# Altium PCB PCB_ESP_R8_POE_3C v2_2023-10-08.pcbdoc (part 2 of 3)
Units mm, origin at the board's own origin, x right, y up, seen from the top; angles counter-clockwise.
Board outline 188.8 x 138.86 mm, 2 copper layers (Top Layer, Bottom Layer); 275 components, 213 nets, 829 pads, 1172 vias.
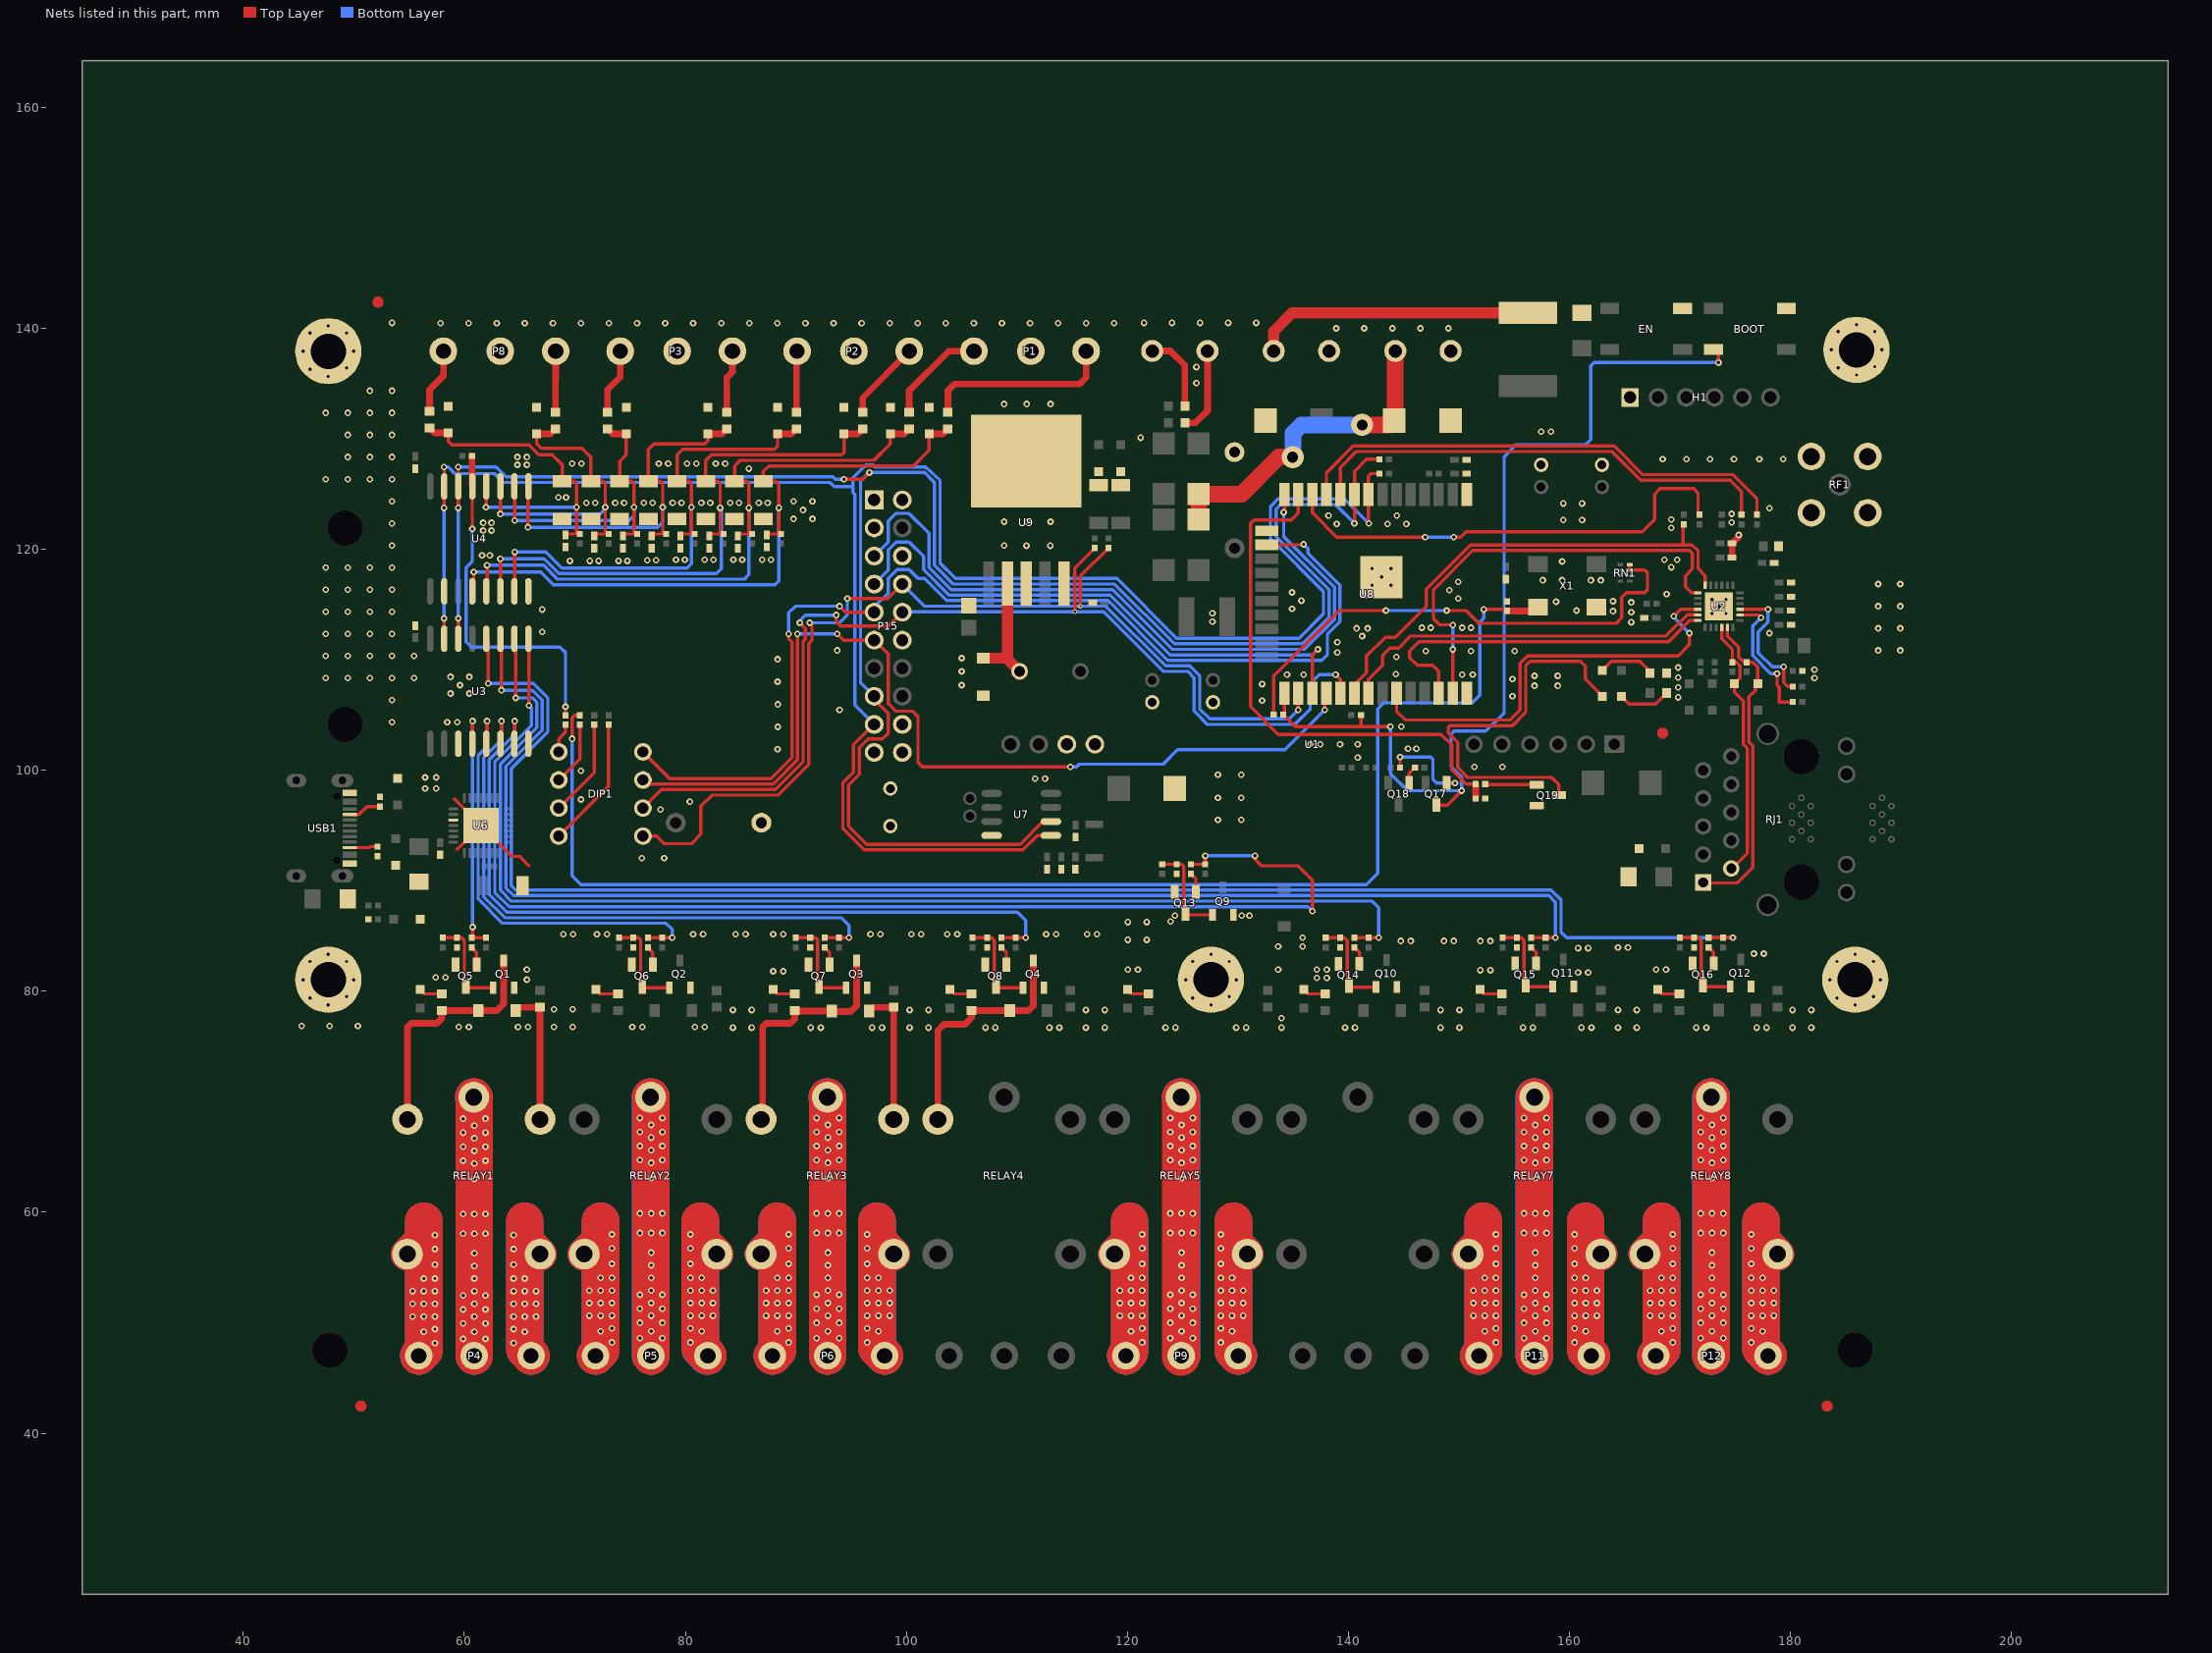
[diagram p2: the nets of this part, all layers, seen from the top]

## Via types
v1: diameter 0.6, hole 0.3, Top Layer to Bottom Layer, tented both sides, 1151 vias
v2: diameter 1.2, hole 0.6, Top Layer to Bottom Layer, tented both sides, 9 vias
v3: diameter 1, hole 0.5, Top Layer to Bottom Layer, tented both sides, 6 vias
v4: diameter 2, hole 1, Top Layer to Bottom Layer, tented both sides, 4 vias
v5: diameter 0.4, hole 0.2, Top Layer to Bottom Layer, tented both sides, 2 vias

## Nets (pads, with @x,y where several pads share a name; then routed paths per layer and width w, separated by ;. In a path a pad name is that pad's centre, name@x,y a point inside that pad or via, vN(x,y) a via of type N, cw(c..) or ccw(c..) an arc to the next point about the centre after c; other vN are vias at no path point) (continued)
ESP_SCL: P15.15 R75.2 U3.14 U4.14 U7.6 U8.9 | length 189.4
  Top Layer w0.3: U3.14@59.445,112.061 59.45,112.066 v1(59.45,113.761) ; U4.14@59.445,125.661 U4.14@59.445,125.711 ; v1(59.45,123.761) 59.45,125.706 U4.14@59.445,125.711 ; v1(59.45,127.461) 59.445,127.456 U4.14@59.445,125.711 ; v1(94.35,126.361) 96.05,126.361 v1(96.65,126.961) ; P15.15@97.091,106.703 97.091,106.421 98.351,105.161 98.351,103.36 97.85,102.86 96.55,102.86 95.75,102.06 95.75,99.662 94.749,98.661 94.749,94.961 96.398,93.312 110.296,93.312 112.361,95.377 U7.6@113.083,95.377 ; v1(140.55,122.361) 140.552,122.363 U8.9@140.552,124.973 140.552,127.063 141.65,128.161 R75.2@142.818,128.161
  Bottom Layer w0.3: v1(59.45,113.761) v1(59.45,123.761) ; v1@59.451,127.46 62.849,127.46 63.748,126.561 93.35,126.561 93.55,126.36 v1(94.35,126.361) ; P15.15@97.091,106.703 95.849,107.945 95.849,126.06 95.849,126.162 96.649,126.959 101.65,126.959 102.549,126.06 102.549,118.56 104.249,116.86 118.849,116.86 124.249,111.46 135.849,111.46 138.249,113.861 138.249,116.36 133.451,121.161 133.451,123.66 133.85,124.061 138.851,124.061 v1(140.55,122.361)
ESP_SDA: P15.17 R76.2 U3.15 U4.15 U7.5 U8.8 | length 189.1
  Top Layer w0.3: v1(58.15,113.761) 58.15,112.086 U3.15@58.175,112.061 ; v1(58.15,123.761) 58.15,125.686 58.175,125.711 58.175,127.435 v1(58.15,127.461) ; P15.17@97.091,104.163 95.224,102.296 95.224,99.835 94.249,98.862 94.249,94.76 96.199,92.812 110.55,92.812 111.846,94.107 U7.5@113.083,94.107 ; v1(141.85,122.361) 141.822,122.388 141.822,123.288 U8.8@141.822,124.973 141.822,126.633 142.05,126.861 R76.2@142.818,126.86
  Bottom Layer w0.3: v1(58.15,113.761) v1(58.15,123.761) ; v1(58.15,127.461) 58.552,127.46 59.151,126.86 62.75,126.86 63.55,126.06 93.07,126.06 93.456,125.674 95.15,125.674 ; P15.17@97.091,104.163 95.351,105.903 95.351,124.961 95.15,125.161 95.15,125.646 95.15,126.467 95.849,127.16 96.354,127.661 96.951,127.661 97.149,127.46 101.749,127.46 103.05,126.261 103.05,118.76 104.449,117.361 119.049,117.361 124.449,111.961 135.549,111.961 137.749,114.16 137.749,116.162 132.951,120.96 132.951,123.861 133.649,124.562 139.649,124.562 v1@141.851,122.362
ETH_CRS_DV: R15.1 U8.12 | length 42.8
  Top Layer w0.3: U8.12@136.742,124.973 136.743,123.312 138.944,121.111 v1(146.95,121.111) ; v1(149.55,121.111) 150.149,121.11 150.649,121.61 166.598,121.61 167.703,122.715 167.703,124.991 168.211,125.499 171.259,125.499 171.64,125.118 171.64,123.264 R15.1@171.767,123.138
  Bottom Layer w0.3: v1(146.95,121.111) v1(149.55,121.111)
ETH_MDC: U2.13 U8.37 | length 40.5
  Top Layer w0.3: U8.37@149.443,106.974 149.443,110.954 v1(149.45,110.961) ; v1@149.451,113.162 148.231,113.18 147.7,113.711 147.7,116.36 151.249,119.911 169.6,119.911 170.878,119.911 171.15,119.639 171.15,118.26 170.497,117.607 170.497,116.614 171.03,116.081 U2.13@171.637,116.081
  Bottom Layer w0.3: v1@149.45,110.961 v1@149.45,113.161
  other v1: 149.45,113.161
ETH_MDIO: R4.2 U2.12 U8.30 | length 44.4
  Top Layer w0.3: U8.30@140.553,106.975 140.553,107.765 141.65,108.862 141.65,110.361 143.349,112.06 144.249,112.06 147.05,114.861 147.05,116.411 151.051,120.411 171.099,120.411 171.65,119.86 171.65,118.25 172.295,117.605 U2.12@172.295,116.738 ; 170.3,120.411 R4.2@170.299,122.273
ETH_REFCLK: R83.2 RN1.1 RN1.2 | length 46.3
  Top Layer w0.3: R83.2@133.235,105.052 133.235,108.557 133.667,108.989 139.139,114.461 v1(143.4,114.461) ; v1(148.9,114.461) 150.674,114.461 151.823,113.312 164.251,113.312 164.749,113.81 164.749,115.662 165.191,116.101 166.814,116.101 167.068,116.355 167.068,117.874 166.814,118.128 RN1.2@165.463,118.129 ; RN1.2@165.463,118.129 RN1.1@165.463,118.629
  Bottom Layer w0.3: v1(143.4,114.461) v1(148.9,114.461)
ETH_RXD+: R12.1 U8.11 | length 45.4
  Top Layer w0.3: U8.11@138.013,124.973 138.013,126.924 140.451,129.362 159.25,129.36 164.05,129.36 166.641,126.769 174.815,126.769 176.974,124.61 R12.1@176.974,123.138
ETH_RXD-: R14.1 U8.10 | length 43
  Top Layer w0.3: U8.10@139.283,124.973 139.283,127.432 140.713,128.862 159.451,128.862 ; 159.45,128.861 159.451,128.862 ; R14.1@175.577,123.138 175.577,125.245 174.561,126.261 166.451,126.261 163.85,128.862 159.451,128.862
ETH_TXD+: U2.18 U8.36 | length 33
  Top Layer w0.3: U8.36@148.173,106.975 148.173,108.961 147.637,109.497 146.24,109.497 145.549,110.188 145.549,110.81 146.4,111.661 168.978,111.661 170.878,113.561 U2.18@171.637,113.581
ETH_TXD-: U2.17 U8.31 | length 34
  Top Layer w0.3: U8.31@141.823,106.975 141.823,108.235 143.085,109.497 143.085,110.396 143.751,111.062 144.551,111.062 145.651,112.161 168.749,112.161 170.67,114.082 U2.17@171.637,114.081
ETH_TXDEN: U2.16 U8.33 | length 39.4
  Top Layer w0.3: U8.33@144.363,106.975 144.363,105.347 145.148,104.562 154.65,104.562 155.549,105.461 155.549,109.71 156.199,110.361 169.837,110.361 170.878,111.402 v1(170.878,112.418) ; v1(169.45,113.961) 170.071,114.582 U2.16@171.637,114.581
  Bottom Layer w0.3: v1(169.45,113.961) 169.45,113.846 v1(170.878,112.418)
F18_2: F18.2 P14.1 | length 7.9
  Top Layer w0.6: F18.2@125.204,131.46 126.151,131.46 127.253,132.565 P14.1@127.253,137.96
F19_2: F19.2 P14.2 | length 7.2
  Top Layer w0.6: P14.2@122.245,137.96 123.901,137.96 125.204,136.657 F19.2@125.204,132.962
FID1:  | length 2.1
  Top Layer w0.5: 183.08,42.451 183.58,42.451 ; 183.58,42.451 ccw(c183.33,42.451) 183.58,42.451
FID2:  | length 2.1
  Top Layer w0.5: 50.39,42.451 50.89,42.451 ; 50.89,42.451 ccw(c50.64,42.451) 50.89,42.451
FID3:  | length 2.1
  Top Layer w0.5: 51.93,142.391 52.43,142.391 ; 52.43,142.391 ccw(c52.18,142.391) 52.43,142.391
FID5:  | length 2.1
  Top Layer w0.5: 168.2,103.36 168.7,103.36 ; 168.7,103.361 ccw(c168.45,103.361) 168.7,103.361
GND: BOOT.2 BT1.2 C1.2 C2.2 C3.2 C4.2 C5.2 C6.2 C7.2 C8.2 C9.2 C10.2 C11.2 C12.2 C13.2 C14.2 C15.2 C16.2 C17.2 C18.2 C19.2 C20.2 C21.2 C22.2 C23.2 C24.2 C25.2 C26.2 C27.2 C28.2 C29.1 C30.2 C31.2 C32.2 C33.1 C34.2 C35.2 C36.2 C37.2 D4.2 D6.2 D7.2 D8.2 D9.2 D10.2 D12.2 D13.2 D14.2 D15.2 D16.2 D17.2 D18.2 D19.2 D24.2 D25.2 D26.2 D27.2 D32.1 D33.1 D34.2 D35.2 D36.2 D37.2 D38.2 D39.1 D40.2 D45.2 D46.2 D47.2 EN.2 H1.1 P1.2 P2.2 P3.2 P8.2 P13.1 P15.1 P15.2 P15.3 P15.6 P15.12 P15.18 P15.19 P15.20 P16.1 pad.2@47.688,81.049 pad.2@47.688,137.945 pad.2@98.55,94.961 pad.2@98.55,98.361 pad.2@127.571,81.049 pad.2@185.864,81.049 pad.2@185.991,138.072 Q1.2 Q2.2 Q3.2 Q4.2 Q5.2 Q6.2 Q7.2 Q8.2 Q9.2 Q10.2 Q11.2 Q12.2 Q13.2 Q14.2 Q15.2 Q16.2 Q19.2 R11.2 R18.2 R39.2 R40.2 R41.2 R42.2 R59.2 R61.2 R62.2 R63.2 R72.2 R73.2 R79.2 R84.2 R87.2 RF1.2 RF1.3 RF1.4 RF1.5 U1.7 U1.8 U2.25 U3.3 U3.8 U4.2 U4.8 U6.3 U6.29 U7.4 U8.1 U8.15 U8.38 U8.39 U9.3 U9.5 U9.6 USB1.A1 USB1.A12 USB1.B1 USB1.B12 X1.2 | length 14.6
  Top Layer w0.3: 59.1,97.412 U6.29@61.5,95.011 ; 59.3,92.911 59.4,92.911 61.5,95.011 64.3,92.211 65,92.211 65.85,91.361
  Top Layer w0.6: C2.2@174.725,119.276 C1.2@174.725,120.546 175.323,121.144 v1(175.323,121.308)
  other v1: 84.299,76.713 85.999,76.713 91.35,76.711 92.25,76.711 96.9,76.711 97.8,76.711 100.299,76.713 101.999,76.713 107.15,76.711 108.05,76.711 112.95,76.711 113.85,76.711 116.248,76.714 117.948,76.714 123.45,76.711 124.35,76.711 129.85,76.711 130.75,76.711 133.95,76.711 139.699,76.711 140.6,76.711 148.348,76.714 150.048,76.714 155.799,76.711 156.699,76.711 161.099,76.711 161.999,76.711 164.398,76.714 166.098,76.714 171.499,76.711 172.399,76.711 176.949,76.711 177.849,76.711 180.198,76.714 181.898,76.714 59.5,76.761 60.4,76.761 64.85,76.761 65.75,76.761 68.099,76.763 69.799,76.763 75.2,76.761 76.1,76.761 80.85,76.761 81.75,76.761 45.275,76.858 47.815,76.858 50.355,76.858 133.95,77.561 84.3,78.311 86,78.311 100.299,78.311 102,78.311 116.249,78.312 117.949,78.312 148.349,78.312 150.049,78.312 164.399,78.312 166.099,78.312 180.199,78.312 181.899,78.312 68.1,78.361 69.8,78.361 47.688,78.763 127.571,78.763 185.864,78.763 46.037,79.398 125.92,79.398 184.213,79.398 49.339,79.525 129.222,79.525 187.515,79.525 45.402,81.049 49.974,81.049 65.65,81.061 125.285,81.049 129.857,81.049 183.578,81.049 188.15,81.049 137.15,81.211 138.049,81.211 57.4,81.261 58.3,81.261 160.799,81.711 161.699,81.711 87.95,81.811 88.85,81.811 151.949,81.911 152.849,81.911 65.65,81.961 120.05,81.961 120.95,81.961 133.649,81.961 137.15,81.961 138.049,81.961 167.849,81.961 168.749,81.961 46.037,82.7 49.339,82.7 125.92,82.7 129.222,82.7 184.213,82.7 187.515,82.7 47.688,83.335 127.571,83.335 185.864,83.335 176.699,83.411 177.599,83.411 160.799,83.911 161.699,83.911 164.399,83.961 165.299,83.961 133.649,84.061 135.85,84.061 144.749,84.561 145.65,84.561 148.65,84.561 149.55,84.561 151.949,84.561 152.849,84.561 120.049,84.664 121.749,84.664 135.85,84.861 68.95,85.161 69.85,85.161 72,85.161 72.9,85.161 80.7,85.161 81.6,85.161 84.55,85.161 85.45,85.161 87.95,85.161 88.85,85.161 96.75,85.161 97.65,85.161 100.45,85.161 101.35,85.161 103.7,85.161 104.6,85.161 112.65,85.161 113.55,85.161 116.35,85.161 117.25,85.161 120.049,86.262 121.75,86.262 123.9,86.311 124.299,86.861 130.349,86.861 131.049,86.861 76.05,92.061 78.082,92.061 128.2,95.51 130.3,95.51 77.75,96.461 80.4,97.161 70.55,97.361 128.2,97.51 130.3,97.51 56.45,98.361 57.45,98.361 111.65,99.261 112.55,99.261 56.45,99.361 57.45,99.361 128.2,99.611 130.3,99.611 70.55,99.961 151.4,100.311 153.95,100.311 140.85,101.161 88.349,101.911 145.399,101.961 146.15,101.961 136.55,102.361 137.45,102.361 139.25,102.361 140.85,102.361 88.363,103.941 144.8,103.961 53.45,104.361 58.45,104.361 59.35,104.361 93.95,105.461 88.363,105.973 132.199,106.312 53.45,106.361 169.85,106.611 154.85,106.711 58.75,106.961 60.45,106.961 169.85,107.511 156.849,107.661 158.949,107.661 59.6,107.711 105,107.711 132.199,107.812 88.35,108.029 154.85,108.271 47.45,108.361 49.45,108.361 51.45,108.361 53.45,108.361 55.45,108.361 182.181,108.354 169.85,108.411 58.75,108.461 60.45,108.461 156.849,108.561 158.949,108.561 134.449,108.662 135.949,108.662 150.3,108.661 151.25,108.661 144.3,108.711 105,108.961 182.181,109.116 169.85,109.311 88.35,110.061 105,110.161 144.35,110.261 47.45,110.361 49.45,110.361 51.45,110.361 53.45,110.361 55.45,110.361 139,110.661 147,110.811 151.1,110.811 155.05,110.811 93.75,110.861 187.95,110.861 189.95,110.861 139,111.611 141.25,112.161 47.45,112.361 49.45,112.361 51.45,112.361 53.45,112.361 178.117,112.418 67.05,112.529 140.75,112.861 141.75,112.861 187.95,112.861 189.95,112.861 146.649,112.911 147.45,112.911 150.299,112.911 151.099,112.911 165.6,113.411 127.699,113.462 172.91,114.196 174.18,114.196 127.699,114.211 165.6,114.311 47.45,114.361 49.45,114.361 51.45,114.361 53.45,114.361 163.95,114.411 160.65,114.461 67.05,114.561 134.899,114.612 173.545,114.831 187.95,114.861 189.95,114.861 165.6,115.211 158.8,115.261 163.95,115.311 135.749,115.362 172.91,115.466 174.18,115.466 149.95,115.561 168.8,115.961 134.899,116.112 149.15,116.311 47.45,116.361 49.45,116.361 51.45,116.361 53.45,116.361 142.149,116.762 143.849,116.762 187.95,116.861 189.95,116.861 149.949,117.061 157.6,117.211 159.35,117.211 161.95,117.211 162.85,117.211 142.999,117.512 142.149,118.262 143.849,118.262 47.45,118.361 49.45,118.361 51.45,118.361 53.45,118.361 169.227,118.387 159.35,118.911 69.548,118.964 71.348,118.964 72.148,118.964 73.948,118.964 74.748,118.964 76.548,119.014 77.348,119.014 168.6,119.061 169.75,119.061 79.148,119.064 79.948,119.064 81.748,119.064 82.547,119.064 84.348,119.064 85.147,119.064 86.947,119.064 87.748,119.064 61.6,119.461 62.3,119.461 108.85,120.352 110.869,120.34 113.028,120.34 53.45,120.361 61.7,121.711 62.45,121.711 169.227,121.943 138.948,122.313 143.549,122.312 145.249,122.312 53.45,122.361 61.7,122.411 62.45,122.411 174.688,122.451 108.85,122.511 110.882,122.511 113.041,122.511 159.45,122.661 161.15,122.661 169.227,122.705 89.798,122.764 91.498,122.764 138.199,123.062 144.399,123.062 174.688,123.213 90.648,123.564 178.117,123.721 159.45,124.161 161.15,124.161 71.048,124.214 71.847,124.215 73.648,124.214 74.447,124.215 76.247,124.214 77.047,124.215 78.848,124.214 79.647,124.215 81.448,124.214 82.247,124.215 84.048,124.214 84.847,124.215 86.648,124.214 87.448,124.214 53.45,124.361 89.799,124.362 91.499,124.362 68.498,124.714 69.197,124.715 47.45,126.361 49.45,126.361 51.45,126.361 53.45,126.361 85.748,127.314 64.8,127.661 65.65,127.661 69.748,127.763 70.598,127.763 77.598,127.763 78.448,127.763 80.148,127.763 80.998,127.763 82.748,127.763 83.598,127.763 168.449,128.179 170.608,128.179 172.74,128.179 174.899,128.179 177.199,128.179 179.358,128.179 49.45,128.361 51.45,128.361 53.45,128.361 64.8,128.361 65.65,128.361 121.2,130.111 49.45,130.361 51.45,130.361 53.45,130.361 157.45,130.661 158.35,130.661 47.45,132.361 49.45,132.361 51.45,132.361 53.45,132.361 108.85,133.161 110.882,133.161 113.041,133.161 51.45,134.361 53.45,134.361 126.249,135.062 47.688,135.659 185.991,135.786 46.037,136.294 49.339,136.421 184.34,136.421 126.248,136.512 187.642,136.548 45.402,137.945 49.974,137.945 183.705,138.072 188.277,138.072 46.037,139.596 49.339,139.596 184.34,139.723 187.642,139.723 138.9,140.011 141.44,140.011 143.98,140.011 146.52,140.011 149.06,140.011 47.688,140.231 185.991,140.358 57.848,140.485 60.388,140.485 62.928,140.485 65.468,140.485 68.008,140.485 70.548,140.485 73.088,140.485 75.628,140.485 78.168,140.485 80.708,140.485 83.248,140.485 85.788,140.485 88.328,140.485 90.868,140.485 93.408,140.485 95.948,140.485 98.488,140.485 101.028,140.485 103.568,140.485 106.108,140.485 108.648,140.485 111.188,140.485 113.728,140.485 116.268,140.485 118.808,140.485 53.45,140.511 121.5,140.511 124.04,140.511 126.58,140.511 129.12,140.511 131.66,140.511
GPIO0: BOOT.3 Q17.3 R82.2 R83.1 U8.25 | length 89.8
  Top Layer w0.3: U8.25@134.203,106.974 134.203,105.155 R83.1@134.1,105.052 135.191,103.961 v1(143.8,103.961) ; 141.15,104.011 R82.2@141.15,105.011 ; Q17.3@147.949,96.861 148.951,96.861 v1(150.251,98.161) ; BOOT.3@173.05,138.111 173.5,137.661 v1(173.5,136.911)
  Bottom Layer w0.3: v1(143.8,103.961) 143.8,99.712 145.351,98.161 v1(150.251,98.161) 150.251,99.36 149.301,100.31 149.301,103.312 149.55,103.561 152.45,103.561 154.099,105.209 154.099,128.41 155.15,129.461 161.449,129.461 161.95,129.962 161.95,136.611 162.25,136.911 v1(173.5,136.911)
GPIO4: DIP1.1 P15.8 R74.1 U8.26 | length 94.3
  Top Layer w0.3: DIP1.1@76.161,94.051 77.409,94.051 78.099,93.36 80.55,93.36 81.399,94.211 81.399,96.761 82.4,97.76 88.351,97.76 91.15,100.559 91.15,111.46 91.45,111.76 91.45,113.16 v1(91.25,113.361) ; v1(94.65,115.561) 96.25,115.561 98.329,115.561 P15.8@99.631,116.863 ; v5(115.75,114.861) 115.75,117.578 R74.1@118.3,120.128 ; v1(135.45,105.461) U8.26@135.473,106.973
  Bottom Layer w0.3: v1(91.25,113.361) 93.95,113.361 94.65,114.061 v1(94.65,115.561) ; P15.8@99.631,116.863 101.633,114.861 v5(115.75,114.861) 118.051,114.861 123.449,109.461 125.651,109.461 126.55,108.562 126.55,105.56 127.449,104.661 134.65,104.661 v1(135.45,105.461)
GPIO5: DIP1.2 P15.10 R77.1 U8.29 | length 96.9
  Top Layer w0.3: DIP1.2@76.161,96.591 77.83,98.26 88.15,98.26 90.65,100.76 90.65,111.661 90.85,111.861 90.85,112.86 v1(90.35,113.361) ; v1(93.65,114.061) 93.65,113.461 94.05,113.061 98.369,113.061 P15.10@99.631,114.323 ; v5(115.25,114.361) 115.25,118.328 R77.1@117.05,120.128 ; v1(138.85,108.661) 139.282,108.228 U8.29@139.283,106.973
  Bottom Layer w0.3: v1(90.35,113.361) 90.35,113.558 90.852,114.061 v1(93.65,114.061) ; P15.10@99.631,114.323 99.669,114.361 v5(115.25,114.361) 117.85,114.361 123.25,108.961 125.45,108.961 126.05,108.362 126.05,105.362 127.251,104.16 135.15,104.16 136.55,105.56 136.55,107.861 137.35,108.661 v1(138.85,108.661)
INPUT_0: C8.1 D4.1 D6.1 F1.2 R1.2 U4.4 | length 64.4
  Top Layer w0.3: U4.4@60.715,116.061 U4.4@60.716,116.21 60.85,116.346 v1(60.85,117.961) ; D4.1@87.05,126.161 87.05,127.061 87.55,127.561 100.65,127.561 102.05,128.961 D6.1@102.05,130.456 ; D4.1@87.05,126.162 88.15,126.162 88.45,125.862 v1(88.45,123.761) 88.45,121.394 88.651,121.394 87.35,121.394 C8.1@87.35,121.305
  Top Layer w0.6: D6.1@102.05,130.456 103.298,130.456 F1.2@103.75,130.908
  Bottom Layer w0.3: v1(60.85,117.961) 66.903,117.961 68.054,116.81 88.099,116.81 88.45,117.16 v1(88.45,123.761)
INPUT_1: C12.1 D9.1 D10.1 F2.1 R9.2 U4.5 | length 59.8
  Top Layer w0.3: U4.5@61.985,116.061 U4.5@61.986,116.21 62.05,116.275 v1(62.05,118.561) ; D10.1@84.45,126.161 84.45,127.561 84.951,128.062 97.051,128.062 98.549,129.56 D9.1@98.549,130.457 ; D10.1@84.449,126.162 85.549,126.162 85.75,125.961 v1(85.75,123.761) 85.75,121.394 86.05,121.394 84.749,121.394 C12.1@84.749,121.205
  Top Layer w0.6: D9.1@98.549,130.457 99.799,130.457 F2.1@100.251,130.907
  Bottom Layer w0.3: v1(62.05,118.561) 67.156,118.561 68.407,117.31 85.349,117.31 85.75,117.711 v1(85.75,123.761)
INPUT_2: C16.1 D12.1 D13.1 F3.2 R16.2 U4.6 | length 55.4
  Top Layer w0.3: v1(63.25,119.161) 63.25,116.215 U4.6@63.255,116.21 ; U4.6@63.256,116.06 U4.6@63.256,116.21 ; D12.1@81.85,126.161 81.85,128.061 82.35,128.561 94.15,128.561 94.35,128.761 D13.1@94.35,130.456 ; D12.1@81.851,126.162 82.951,126.162 83.15,125.963 v1(83.15,123.761) 83.15,121.394 83.449,121.394 82.151,121.394 C16.1@82.151,121.205
  Top Layer w0.6: D13.1@94.35,130.456 95.597,130.457 F3.2@96.05,130.908
  Bottom Layer w0.3: v1(63.25,119.161) 67.2,119.162 68.552,117.81 82.801,117.81 83.251,118.263 83.251,123.66 v1(83.15,123.761)
INPUT_3: C18.1 D14.1 D15.1 F4.1 R19.2 U4.7 | length 48.1
  Top Layer w0.3: U4.7@64.525,116.21 64.55,116.236 v1(64.55,119.761) ; U4.7@64.526,116.06 U4.7@64.526,116.21 ; D15.1@79.25,126.161 79.25,128.561 79.75,129.061 88.05,129.061 88.35,129.361 D14.1@88.35,130.456 ; D15.1@79.25,126.162 80.35,126.162 80.55,125.962 v1(80.55,123.811) 80.55,121.394 80.85,121.394 79.55,121.394 C18.1@79.55,121.206
  Top Layer w0.6: D14.1@88.35,130.456 89.598,130.457 F4.1@90.05,130.908
  Bottom Layer w0.3: v1@64.551,119.761 67.353,119.761 68.803,118.311 80.149,118.311 80.55,118.712 v1(80.55,123.811)
INPUT_4: C19.1 D16.1 D17.1 F5.2 R20.2 U4.9 | length 36.2
  Top Layer w0.3: v1(65.75,122.011) 65.75,125.711 U4.9@65.795,125.711 ; C19.1@76.949,121.205 77.138,121.394 78.25,121.394 77.95,121.394 v1(77.95,123.811) 77.95,125.961 77.749,126.162 76.649,126.162 76.649,129.06 77.149,129.56 81.749,129.56 82.049,129.86 D17.1@82.049,130.457
  Top Layer w0.6: D17.1@82.049,130.457 83.299,130.457 F5.2@83.751,130.907
  Bottom Layer w0.3: v1(65.75,122.011) 77.5,122.011 77.95,122.461 v1(77.95,123.811)
INPUT_5: C20.1 D18.1 D19.1 F6.1 R21.2 U4.10 | length 29
  Top Layer w0.3: U4.10@64.525,125.661 64.525,125.711 64.55,125.686 v1(64.55,122.611) ; D19.1@74.05,126.161 74.05,127.961 74.65,128.561 D18.1@74.649,130.456 ; D19.1@74.051,126.162 75.15,126.162 75.35,125.963 v1(75.35,123.811) 75.35,121.394 R21.2@75.651,121.394 ; C20.1@74.35,121.205 74.538,121.394 R21.2@75.65,121.394